# KiCad board main_PCB_v1.kicad_pcb (continued)
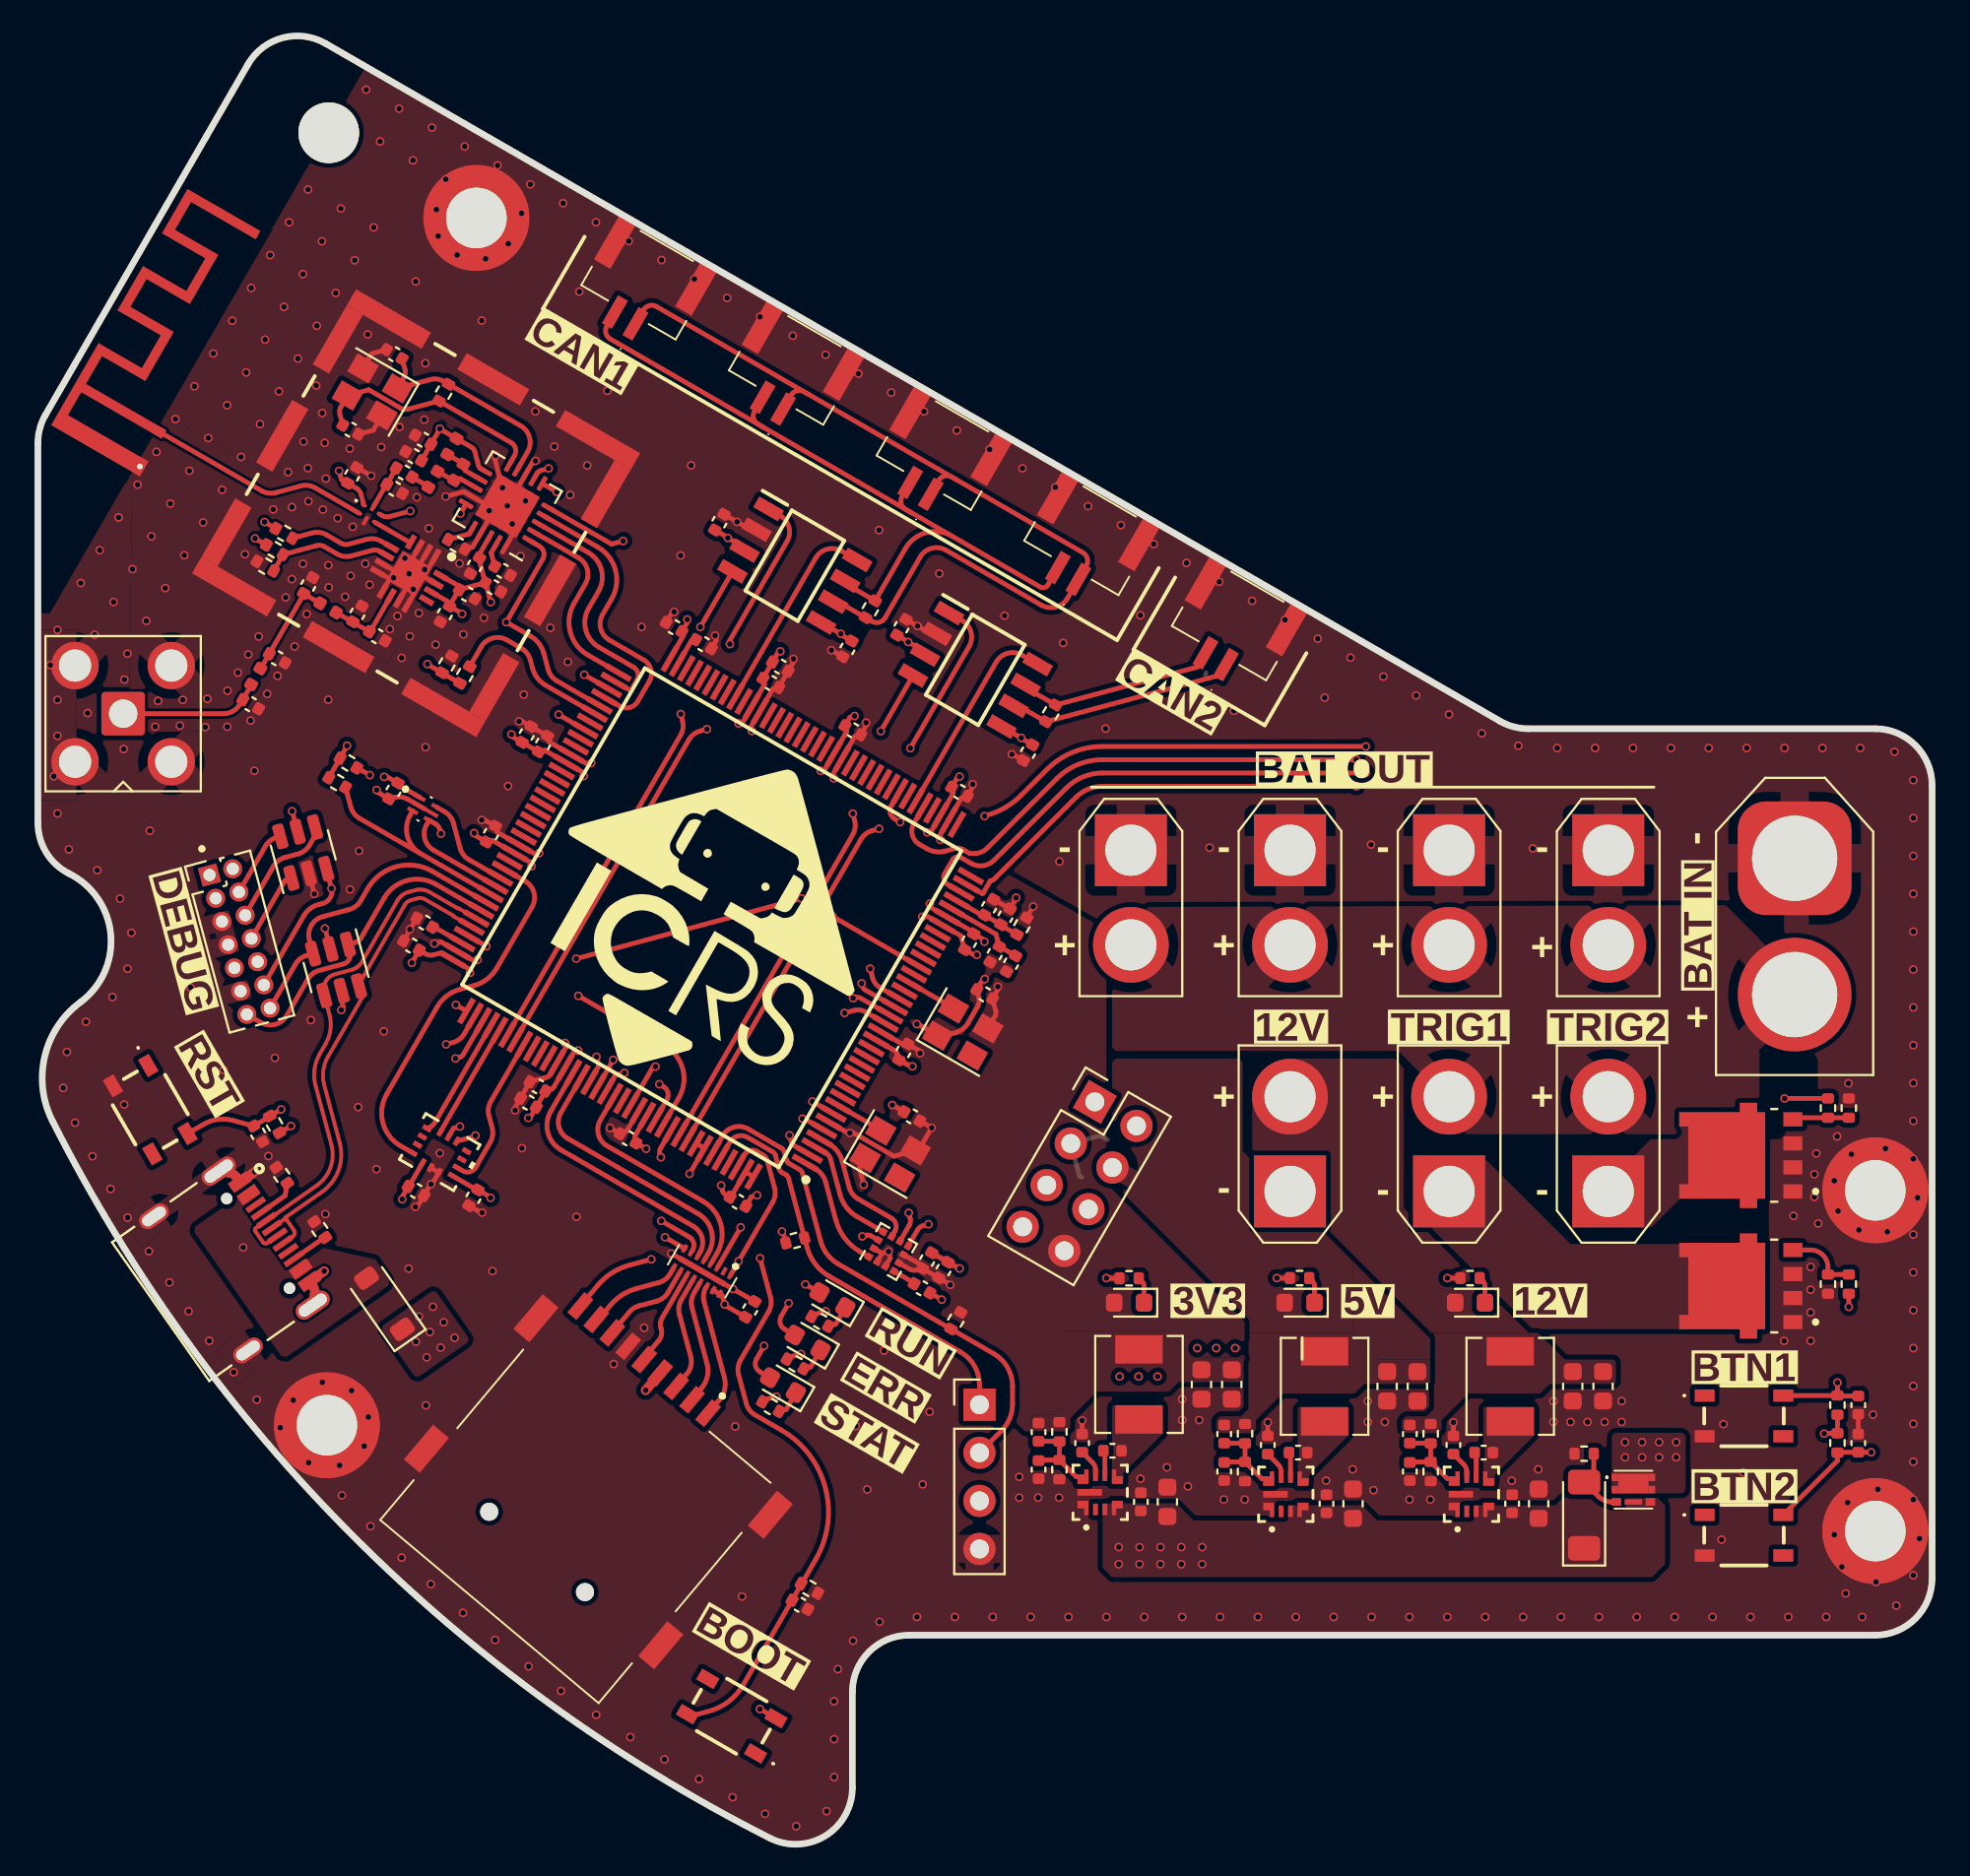
[diagram p0: board, top side]
## Footprints (pads in the part's own frame, mm; a bottom-side part is the same pattern mirrored in y, then rotated)
AMASS_XT30U-F_1x02_P5.0mm_Vertical
  rect 3.8x3.8 hole 2.7: 1(0,0)
  round 4 hole 2.7: 2(5,0)
AMASS_XT60-M_1x02_P7.20mm_Vertical
  rrect 6x6 hole 4.5: 1(0,0)
  round 6 hole 4.5: 2(7.2,0)
BMI270_BOS
  rect 0.483x0.254 smd: 1(-1.206,0.75) 2(-1.206,0.25) 3(-1.206,-0.25) 4(-1.206,-0.75) 8(1.206,-0.75) 9(1.206,-0.25) 10(1.206,0.25) 11(1.206,0.75)
  rect 0.254x0.483 smd: 5(-0.5,-0.953) 6(0,-0.953) 7(0.5,-0.953) 12(0.5,0.953) 13(0,0.953) 14(-0.5,0.953)
C_0402_1005Metric
  rrect 0.56x0.62 smd: 1(-0.48,0) 2(0.48,0)
C_0603_1608Metric
  rrect 0.9x0.95 smd: 1(-0.775,0) 2(0.775,0)
D_MiniMELF
  rrect 1.3x1.7 smd: 1(-1.75,0) 2(1.75,0)
D_SOD-123
  rrect 0.9x1.2 smd: 1(-1.65,0) 2(1.65,0)
DMP2066UFDE7
  rect 0.4x0.35 smd: 1(-0.65,-0.975) 2(0,-0.975) 5(0,0.975) 6(-0.65,0.975)
  rect 0.4x0.5 smd: 3(0.65,-0.9) 4(0.65,0.9)
  rect 0.285x0.92 smd: 7(0.65,0)
  rect 1.05x1.6 smd: 8(-0.325,0)
EMIF06MSD02N16
  rect 0.2x0.45 smd: 1(-1.4,-0.375) 2(-1,-0.375) 3(-0.6,-0.375) 4(-0.2,-0.375) 5(0.2,-0.375) 6(0.6,-0.375) 7(1,-0.375) 8(1.4,-0.375) 9(1.4,0.775) 10(1,0.775) 11(0.6,0.775) 12(0.2,0.775) 13(-0.2,0.775) 14(-0.6,0.775) 15(-1,0.775) 16(-1.4,0.775)
  rect 2.8x0.3 smd: 17(0,0.2)
HRO_TYPE-C-31-M-12
  round 0.6 hole 0.6 unplated: (-2.89,3.68) (2.89,3.68)
  rect 0.6x1.14 smd: A1_B12(-3.2,4.75) A4_B9(-2.4,4.75) B1_A12(3.2,4.75) B4_A9(2.4,4.75)
  rect 0.3x1.14 smd: A5(-1.25,4.75) A6(-0.25,4.75) A7(0.25,4.75) A8(1.25,4.75) B5(1.75,4.75) B6(0.75,4.75) B7(-0.75,4.75) B8(-1.75,4.75)
  oval 0.9x2 hole 0.6x1.7: S1(-4.325,4.17) S2(4.325,4.17)
  oval 0.9x1.7 hole 0.6x1.4: S3(-4.325,0) S4(4.325,0)
L_0402_1005Metric
  rrect 0.59x0.64 smd: 1(-0.485,0) 2(0.485,0)
L_Chilisin_BMRA00040420
  rect 1.5x2.5 smd: 1(-1.85,0) 2(1.85,0)
LED_0603_1608Metric
  rrect 0.875x0.95 smd: 1(-0.787,0) 2(0.787,0)
LGA-12_2x2mm_P0.5mm
  rect 0.375x0.35 smd: 1(-0.762,0.75) 2(-0.762,0.25) 3(-0.762,-0.25) 4(-0.762,-0.75) 7(0.762,-0.75) 8(0.762,-0.25) 9(0.762,0.25) 10(0.762,0.75)
  rect 0.35x0.375 smd: 5(-0.25,-0.762) 6(0.25,-0.762) 11(0.25,0.762) 12(-0.25,0.762)
LMR43620MB5RPER_TEX
  custom 0.762x0.584 smd: 1(-0.826,0.73) 4(-0.826,-0.73) 5(0.826,-0.73) 8(0.826,0.73)
  rect 0.61x0.254 smd: 2(-0.902,0.248) 3(-0.902,-0.248) 6(0.902,-0.248) 7(0.902,0.248)
  rect 0.356x1.295 smd: 9(0,0.552)
M24C08FMH6TG
  rect 0.6x0.2 smd: 1(-0.5,0.4) 3(-0.5,-0.4) 4(0.5,-0.4) 5(0.5,0.4)
  rect 1.6x0.2 smd: 2(0,0)
main_board_outline_v2
  round 3.2 hole 3.2 unplated: (-30.653,42.479)
  round 3.6 hole 3.2: 2(-22.859,37.979) 3(50.992,-13.384) 4(50.992,-31.384) 5(-30.75,-25.793)
  round 5.6 smd: 2(-22.859,37.979) 3(50.992,-13.384) 4(50.992,-31.384) 5(-30.75,-25.793)
  round 5.6 smd far side: 2(-22.859,37.979) 3(50.992,-13.384) 4(50.992,-31.384) 5(-30.75,-25.793)
MEM20750014001A
  round 0.95 hole 0.95 unplated: (-3.395,-3.695) (3.205,-3.695)
  rect 0.62x1.4 smd: 1(2.105,7.725) 2(1.005,7.725) 3(-0.095,7.725) 4(-1.195,7.725) 5(-2.295,7.725) 6(-3.395,7.725) 7(-4.495,7.725) 8(-5.595,7.725) 9(-6.695,7.725)
  rect 1.1x2.4 smd: 10(-8.075,5.725) 11(-8.075,-3.275) 12(8.075,-3.275) 13(8.075,5.725)
Oscillator_SMD_Abracon_ASE-4Pin_3.2x2.5mm
  rect 1.3x1.1 smd: 1(-1.05,-0.825) 2(1.05,-0.825) 3(1.05,0.825) 4(-1.05,0.825)
PinHeader_1x04_P2.54mm_Vertical
  rect 1.7x1.7 hole 1: 1(0,0)
  oval 1.7x1.7 hole 1: 2(0,-2.54) 3(0,-5.08) 4(0,-7.62)
PinHeader_2x04_P2.54mm_Vertical
  rect 1.7x1.7 hole 1: 1(0,0)
  oval 1.7x1.7 hole 1: 2(2.54,0) 3(0,-2.54) 4(2.54,-2.54) 5(0,-5.08) 6(2.54,-5.08) 7(0,-7.62) 8(2.54,-7.62)
PinHeader_2x07_P1.27mm_Vertical
  rect 1x1 hole 0.65: 1(0,0)
  oval 1x1 hole 0.65: 2(1.27,0) 3(0,-1.27) 4(1.27,-1.27) 5(0,-2.54) 6(1.27,-2.54) 7(0,-3.81) 8(1.27,-3.81) 9(0,-5.08) 10(1.27,-5.08) 11(0,-6.35) 12(1.27,-6.35) 13(0,-7.62) 14(1.27,-7.62)
QFN50P300X300X60-17N-D
  rect 0.8x0.3 smd: 1(-1.5,0.75) 2(-1.5,0.25) 3(-1.5,-0.25) 4(-1.5,-0.75) 9(1.5,-0.75) 10(1.5,-0.25) 11(1.5,0.25) 12(1.5,0.75)
  rect 0.3x0.8 smd: 5(-0.75,-1.5) 6(-0.25,-1.5) 7(0.25,-1.5) 8(0.75,-1.5) 13(0.75,1.5) 14(0.25,1.5) 15(-0.25,1.5) 16(-0.75,1.5)
  rect 1.75x1.75 smd: 17(0,0)
QFN-20-1EP_4x4mm_P0.5mm_EP2.5x2.5mm
  rrect 1.01x1.01 smd: (-0.625,0.625) (-0.625,-0.625) (0.625,0.625) (0.625,-0.625)
  rrect 0.825x0.25 smd: 1(-1.938,1) 2(-1.938,0.5) 3(-1.938,0) 4(-1.938,-0.5) 5(-1.938,-1) 11(1.938,-1) 12(1.938,-0.5) 13(1.938,0) 14(1.938,0.5) 15(1.938,1)
  rrect 0.25x0.825 smd: 6(-1,-1.938) 7(-0.5,-1.938) 8(0,-1.938) 9(0.5,-1.938) 10(1,-1.938) 16(1,1.938) 17(0.5,1.938) 18(0,1.938) 19(-0.5,1.938) 20(-1,1.938)
  rect 2.5x2.5 smd: 21(0,0)
QFP50P2200X2200X160-144N
  rect 1.475x0.3 smd: 1(-10.738,8.75) 2(-10.738,8.25) 3(-10.738,7.75) 4(-10.738,7.25) 5(-10.738,6.75) 6(-10.738,6.25) 7(-10.738,5.75) 8(-10.738,5.25) 9(-10.738,4.75) 10(-10.738,4.25) 11(-10.738,3.75) 12(-10.738,3.25) 13(-10.738,2.75) 14(-10.738,2.25) 15(-10.738,1.75) 16(-10.738,1.25) 17(-10.738,0.75) 18(-10.738,0.25) 19(-10.738,-0.25) 20(-10.738,-0.75) 21(-10.738,-1.25) 22(-10.738,-1.75) 23(-10.738,-2.25) 24(-10.738,-2.75) 25(-10.738,-3.25) 26(-10.738,-3.75) 27(-10.738,-4.25) 28(-10.738,-4.75) 29(-10.738,-5.25) 30(-10.738,-5.75) 31(-10.738,-6.25) 32(-10.738,-6.75) 33(-10.738,-7.25) 34(-10.738,-7.75) 35(-10.738,-8.25) 36(-10.738,-8.75) 73(10.738,-8.75) 74(10.738,-8.25) 75(10.738,-7.75) 76(10.738,-7.25) 77(10.738,-6.75) 78(10.738,-6.25) 79(10.738,-5.75) 80(10.738,-5.25) 81(10.738,-4.75) 82(10.738,-4.25) 83(10.738,-3.75) 84(10.738,-3.25) 85(10.738,-2.75) 86(10.738,-2.25) 87(10.738,-1.75) 88(10.738,-1.25) 89(10.738,-0.75) 90(10.738,-0.25) 91(10.738,0.25) 92(10.738,0.75) 93(10.738,1.25) 94(10.738,1.75) 95(10.738,2.25) 96(10.738,2.75) 97(10.738,3.25) 98(10.738,3.75) 99(10.738,4.25) 100(10.738,4.75) 101(10.738,5.25) 102(10.738,5.75) 103(10.738,6.25) 104(10.738,6.75) 105(10.738,7.25) 106(10.738,7.75) 107(10.738,8.25) 108(10.738,8.75)
  rect 0.3x1.475 smd: 37(-8.75,-10.738) 38(-8.25,-10.738) 39(-7.75,-10.738) 40(-7.25,-10.738) 41(-6.75,-10.738) 42(-6.25,-10.738) 43(-5.75,-10.738) 44(-5.25,-10.738) 45(-4.75,-10.738) 46(-4.25,-10.738) 47(-3.75,-10.738) 48(-3.25,-10.738) 49(-2.75,-10.738) 50(-2.25,-10.738) 51(-1.75,-10.738) 52(-1.25,-10.738) 53(-0.75,-10.738) 54(-0.25,-10.738) 55(0.25,-10.738) 56(0.75,-10.738) 57(1.25,-10.738) 58(1.75,-10.738) 59(2.25,-10.738) 60(2.75,-10.738) 61(3.25,-10.738) 62(3.75,-10.738) 63(4.25,-10.738) 64(4.75,-10.738) 65(5.25,-10.738) 66(5.75,-10.738) 67(6.25,-10.738) 68(6.75,-10.738) 69(7.25,-10.738) 70(7.75,-10.738) 71(8.25,-10.738) 72(8.75,-10.738) 109(8.75,10.738) 110(8.25,10.738) 111(7.75,10.738) 112(7.25,10.738) 113(6.75,10.738) 114(6.25,10.738) 115(5.75,10.738) 116(5.25,10.738) 117(4.75,10.738) 118(4.25,10.738) 119(3.75,10.738) 120(3.25,10.738) 121(2.75,10.738) 122(2.25,10.738) 123(1.75,10.738) 124(1.25,10.738) 125(0.75,10.738) 126(0.25,10.738) 127(-0.25,10.738) 128(-0.75,10.738) 129(-1.25,10.738) 130(-1.75,10.738) 131(-2.25,10.738) 132(-2.75,10.738) 133(-3.25,10.738) 134(-3.75,10.738) 135(-4.25,10.738) 136(-4.75,10.738) 137(-5.25,10.738) 138(-5.75,10.738) 139(-6.25,10.738) 140(-6.75,10.738) 141(-7.25,10.738) 142(-7.75,10.738) 143(-8.25,10.738) 144(-8.75,10.738)
R_0402_1005Metric
  rrect 0.54x0.64 smd: 1(-0.51,0) 2(0.51,0)
SKY13453385LF
  rect 0.33x0.15 smd: 1(-0.485,0.25) 2(-0.485,-0.25) 4(0.485,-0.25) 5(0.485,0.25)
  rect 0.2x0.51 smd: 3(0,-0.43) 6(0,0.43)
SM02BGHSTBLFSN
  rect 0.6x1.7 smd: 1(-0.625,1.845) 2(0.625,1.845)
  rect 1x2.7 smd: 3(2.475,-1.355) 4(-2.475,-1.355)
SMA_Amphenol_901-143_Horizontal
  rrect 2.3x2.3 hole 1.5: 1(0,0)
  round 2.5 hole 1.7: 2(-2.54,2.54) 2(-2.54,-2.54) 2(2.54,2.54) 2(2.54,-2.54)
SMS202F
  rect 0.99x3.58 smd: 1(-8.165,5.88) 3(-8.165,-5.88) 7(8.165,-5.88) 9(8.165,5.88)
  rect 0.99x3.81 smd: 2(-8.165,0.01) 8(8.165,0.01)
  rect 4.57x0.99 smd: 4(-6.375,-8.165) 6(6.375,-8.165) 10(6.375,8.165) 12(-6.375,8.165)
  rect 3.81x0.99 smd: 5(-0.01,-8.165) 11(-0.01,8.165)
SOIC127P600X175-8N
  rect 1.5x0.65 smd: 1(-2.7,1.905) 2(-2.7,0.635) 3(-2.7,-0.635) 4(-2.7,-1.905) 5(2.7,-1.905) 6(2.7,-0.635) 7(2.7,0.635) 8(2.7,1.905)
SOT-23-6
  rrect 1.325x0.6 smd: 1(-1.137,0.95) 2(-1.137,0) 3(-1.137,-0.95) 4(1.137,-0.95) 5(1.137,0) 6(1.137,0.95)
Texas_SWRA117D_2.4GHz_Right
  rect 0.5x0.5 smd: 1(0,0)
  rect 0.9x0.5 hole 0.3: 2(-2.1,0)
TRANS_NVMFS5834NLWFT1G
  rect 1x0.75 smd: 1(-2.748,1.905) 2(-2.748,0.635) 3(-2.748,-0.635) 4(-2.748,-1.905)
  custom 4.54x5.56 smd: 5_6(0,0)
TS204225WT160SMTTRMSL
  rect 1.05x0.65 smd: 1(-2.075,1.075) 2(2.075,1.075) 3(-2.075,-1.075) 4(2.075,-1.075)

## Nets
+3.3V: C201.1 C202.1 C205.1 C206.1 C207.1 C208.1 C209.1 C210.1 C211.1 C212.1 C213.1 C214.1 C215.1 C216.1 C217.1 C218.1 C219.1 C222.1 C223.1 C224.1 C225.1 C228.1 C229.1 C230.1 C232.1 C308.1 C319.1 C320.1 C401.2 C406.2 C408.2 C409.2 C412.2 D304.2 FB201.2 FL201.15 FL201.16 IC202.5 IC203.5 J201.4 J204.8 J205.3 J207.3 L303.2 R203.1 R204.1 R205.2 R206.2 R210.2 R214.1 R215.1 R310.1 S202.3 S401.1 U201.6 U201.17 U201.30 U201.39 U201.52 U201.62 U201.72 U201.84 U201.95 U201.108 U201.121 U201.131 U201.143 U201.144 U202.5 U204.5 U204.8 U206.5 U206.6 U211.1 U401.7 U401.15 U401.18 U402.14 U402.16 X201.3 X202.3
+5V: C226.1 C227.1 C309.1 C314.1 C315.1 D302.2 IC202.3 IC203.3 J204.4 L305.2 R308.1
+12V: C305.1 C306.1 C307.1 D301.2 J302.2 L301.2 R301.1
/Microcontroller/VDDA: C233.1 C234.1 FB201.1 U201.33
/Power/VCC_3V3: C317.1 U302.7
/Power/VCC_5V: C311.1 U301.7
/Power/VCC_12V: C303.1 U303.7
/Wireless/DVDD: C407.2 U401.19
/Wireless/VDD_PA: C404.2 C405.2 L404.2 R403.1 U401.11
GND: AE401.2 C201.2 C202.2 C203.2 C204.2 C205.2 C206.2 C207.2 C208.2 C209.2 C210.2 C211.2 C212.2 C213.2 C214.2 C215.2 C216.2 C217.2 C218.2 C219.2 C220.2 C221.2 C222.2 C223.2 C224.2 C225.2 C226.2 C227.2 C228.2 C229.2 C230.2 C231.2 C232.2 C233.2 C234.2 C235.2 C236.2 C237.2 C238.2 C301.2 C302.2 C303.2 C305.2 C306.2 C310.2 C311.2 C313.2 C314.2 C315.2 C316.2 C317.2 C319.2 C320.2 C321.2 C322.2 C323.2 C324.2 C401.1 C403.1 C404.1 C405.1 C406.1 C407.1 C408.1 C409.1 C410.2 C411.2 C412.1 C413.1 C414.1 C415.1 C416.1 C417.1 FL201.17 IC202.2 IC203.2 J201.6 J201.10 J201.11 J201.12 J201.13 J203.A1_B12 J203.B1_A12 J203.S1 J203.S2 J203.S3 J203.S4 J204.3 J204.7 J205.5 J205.7 J205.11 J207.4 J208.3 J208.4 J209.3 J209.4 J210.3 J210.4 J211.3 J211.4 J212.3 J212.4 J301.1 J302.1 J305.1 J306.1 J307.1 J308.1 J401.2 OL101.2 OL101.3 OL101.4 OL101.5 R201.2 R202.2 R207.1 R211.1 R212.1 R213.1 R302.2 R303.1 R304.1 R305.1 R307.2 R309.2 R311.2 R314.2 R315.2 R401.2 R405.2 R407.2 S201.3 S203.3 S204.3 S401.3 SH401.1 SH401.2 SH401.3 SH401.4 SH401.5 SH401.6 SH401.7 SH401.8 SH401.9 SH401.10 SH401.11 SH401.12 T301.1 T301.2 T301.3 T302.1 T302.2 T302.3 U201.16 U201.31 U201.38 U201.51 U201.61 U201.83 U201.94 U201.107 U201.120 U201.130 U202.2 U203.2 U204.6 U204.7 U206.2 U206.3 U206.12 U211.2 U301.1 U301.9 U302.1 U302.9 U303.1 U303.9 U401.8 U401.14 U401.17 U401.20 U401.21 U402.1 U402.2 U402.3 U402.7 U402.8 U402.9 U402.11 U402.12 U402.15 U402.17 X201.1 X202.1 Y402.2 Y402.4
VBAT: J301.2 J305.2 J306.2 J307.2 J308.2 J309.2 J310.2 Q302.1 Q302.2 Q302.5 Q302.6 Q302.8
VBUS: D201.2 J203.A4_B9 J203.B4_A9 U203.5
/Microcontroller/BOOT: C220.1 R207.2 S202.2 U201.137 U201.138
/Microcontroller/BTN1: C204.1 R206.1 S201.2 U201.34
/Microcontroller/BTN2: C221.1 R210.1 S204.2 U201.44
/Microcontroller/CAN1_H: IC202.7 J208.2 J209.2 J210.2 J211.2 R209.1
/Microcontroller/CAN1_L: IC202.6 J208.1 J209.1 J210.1 J211.1 R209.2
/Microcontroller/CAN1_RX: IC202.4 U201.114
/Microcontroller/CAN1_SILENT: IC202.8 U201.64
/Microcontroller/CAN1_TX: IC202.1 U201.115
/Microcontroller/CAN2_H: IC203.7 J212.2 R208.1
/Microcontroller/CAN2_L: IC203.6 J212.1 R208.2
/Microcontroller/CAN2_RX: IC203.4 U201.135
/Microcontroller/CAN2_SILENT: IC203.8 U201.42
/Microcontroller/CAN2_TX: IC203.1 U201.136
/Microcontroller/CC1: J203.A5 R201.1
/Microcontroller/CC2: J203.B5 R202.1
/Microcontroller/CLK: FL201.11 J201.5
/Microcontroller/CMD: FL201.12 J201.3
/Microcontroller/DAT0: FL201.10 J201.7
/Microcontroller/DAT1: FL201.9 J201.8
/Microcontroller/DAT2: FL201.14 J201.1
/Microcontroller/DAT3: FL201.13 J201.2
/Microcontroller/EEPROM_WC: U201.98 U211.5
/Microcontroller/GPIO1: J204.1 U201.21
/Microcontroller/GPIO2: J204.2 U201.20
/Microcontroller/GPIO3: J204.5 U201.18
/Microcontroller/GPIO4: J204.6 U201.19
/Microcontroller/I2C1_SCL: J207.2 R204.2 U201.139
/Microcontroller/I2C1_SDA: J207.1 R203.2 U201.140
/Microcontroller/I2C3_SCL: R214.2 U201.100 U211.3
/Microcontroller/I2C3_SDA: R215.2 U201.99 U211.4
/Microcontroller/IMU_INT1: U201.97 U204.4
/Microcontroller/IMU_INT2: U201.116 U204.9
/Microcontroller/LEDB: D204.2 U201.134
/Microcontroller/LEDB_K: D204.1 R213.2
/Microcontroller/LEDG: D203.2 U201.132
/Microcontroller/LEDG_K: D203.1 R212.2
/Microcontroller/LEDR: D202.2 U201.129
/Microcontroller/LEDR_K: D202.1 R211.2
/Microcontroller/MAG_C1: C231.1 U206.4
/Microcontroller/MAG_DRDY: U201.2 U206.8
/Microcontroller/MAG_INT: U201.7 U206.7
/Microcontroller/NRF24_CE: R404.1 U201.77 U401.1
/Microcontroller/NRF24_IRQ: U201.80 U401.6
/Microcontroller/NRF24_MODE: R406.1 U201.78
/Microcontroller/NRST: C203.1 J205.12 R205.1 S203.2 U201.25 U202.3
/Microcontroller/OSC: U201.23 X201.4
/Microcontroller/OSC_32: U201.8 X202.4
/Microcontroller/SDMMC2_CD: FL201.1 J201.9 U201.142
/Microcontroller/SDMMC2_CLK: FL201.6 U201.122
/Microcontroller/SDMMC2_CMD: FL201.5 U201.123
/Microcontroller/SDMMC2_D0: FL201.7 U201.124
/Microcontroller/SDMMC2_D1: FL201.8 U201.125
/Microcontroller/SDMMC2_D2: FL201.3 U201.126
/Microcontroller/SDMMC2_D3: FL201.4 U201.127
/Microcontroller/SPI2.CS: U201.73 U401.2
/Microcontroller/SPI2.MISO: U201.75 U401.5
/Microcontroller/SPI2.MOSI: U201.76 U401.4
/Microcontroller/SPI2.SCK: U201.74 U401.3
/Microcontroller/SPI3_CS: U201.110 U204.12
/Microcontroller/SPI3_MISO: U201.112 U204.1
/Microcontroller/SPI3_MOSI: U201.113 U204.14
/Microcontroller/SPI3_SCK: U201.111 U204.13
/Microcontroller/SPI4_CS: U201.3 U206.10
/Microcontroller/SPI4_MISO: U201.4 U206.9
/Microcontroller/SPI4_MOSI: U201.5 U206.11
/Microcontroller/SPI4_SCK: U201.1 U206.1
/Microcontroller/SWCLK: J205.6 U201.109 U202.4
/Microcontroller/SWDIO: J205.4 U201.105 U202.6
/Microcontroller/SWO: J205.8 U201.133 U202.1
/Microcontroller/TRIG1: R312.2 U201.41
/Microcontroller/TRIG2: R313.2 U201.35
/Microcontroller/USART1_RX: J205.13 U201.102 U203.1
/Microcontroller/USART1_TX: J205.14 U201.101 U203.3
/Microcontroller/USB_DN: J203.A7 J203.B7 U201.103 U203.4
/Microcontroller/USB_DP: J203.A6 J203.B6 U201.104 U203.6
/Microcontroller/VCAP1: C237.1 U201.71
/Microcontroller/VCAP2: C238.1 U201.106
/Microcontroller/VREF+: C235.1 C236.1 U201.32
/Power/BOOT_3V3: C318.2 U302.6
/Power/BOOT_5V: C312.2 U301.6
/Power/BOOT_12V: C304.2 U303.6
/Power/FV_3V3: C308.2 C323.1 R310.2 R311.1 U302.8
/Power/FV_5V: C309.2 C324.1 R308.2 R309.1 U301.8
/Power/FV_12V: C307.2 C310.1 R301.2 R302.1 U303.8
/Power/LED3V3: D304.1 R305.2
/Power/LED5V: D302.1 R304.2
/Power/LED12V: D301.1 R303.2
/Power/RP_PMOS_G: D303.2 Q302.3 R307.1
/Power/SW_3V3: C318.1 L303.1 U302.5
/Power/SW_5V: C312.1 L305.1 U301.5
/Power/SW_12V: C304.1 L301.1 U303.5
/Power/TRIG1_D: J309.1 T302.5_6
/Power/TRIG1_G: R312.1 R315.1 T302.4
/Power/TRIG2_D: J310.1 T301.5_6
/Power/TRIG2_G: R313.1 R314.1 T301.4
/Wireless/ANT1: L403.2 L404.1 U401.12
/Wireless/ANT2: L401.2 L403.1 U401.13
/Wireless/ANT2_50: C402.2 L401.1
/Wireless/ANT_F1: C413.2 C414.2 L402.2 U402.10
/Wireless/ANT_F2: C415.2 C416.2 L402.1 L405.2
/Wireless/ANT_PCB: AE401.1 S401.2
/Wireless/ANT_SMA: C417.2 J401.1 L405.1
/Wireless/IREF: R401.1 U401.16
/Wireless/RF2: S401.4 U402.4
/Wireless/RFC: C402.1 C403.2 S401.6
/Wireless/RXEN: R404.2 R405.1 U402.6
/Wireless/TXEN: R403.2 U402.5
/Wireless/VCTL: R406.2 R407.1 S401.5
/Wireless/XC1: C410.1 R402.1 U401.10 Y402.3
/Wireless/XC2: C411.1 R402.2 U401.9 Y402.1
VSYS: C301.1 C302.1 C313.1 C316.1 C321.1 C322.1 D201.1 D303.1 Q302.4 Q302.7 U301.3 U301.4 U302.3 U302.4 U303.3 U303.4

Pads without a net: FL201 2; J203 A8 B8; J205 1 2 9 10; S201 1 4; S202 1 4; S203 1 4; S204 1 4; U201 9 10 11 12 13 14 15 22 24 26 27 28 29 36 37 40 43 45 46 47 48 49 50 53 54 55 56 57 58 59 60 63 65 66 67 68 69 70 79 81 82 85 86 87 88 89 90 91 92 93 96 117 118 119 128 141; U204 2 3 10 11; U301 2; U302 2; U303 2; U402 13; X201 2; X202 2

## Via types
v1: diameter 0.45, hole 0.3, Top to Bottom, 590 vias

## Routing (per net, layer and track width the routed paths; a pad name or vN(x,y) marks a point on that pad's centre or on a via; arc(x,y) is an arc through that point)
+3.3V: length 92.1
  Top w0.25: U201.72 34.06,63.82 C214.1 34.31,64.59 v1(34.28,64.7) ; C401.2 23.64,66.63 v1(23.91,65.61) ; C401.2 23.28,67.89 C406.2 23.27,68.08 U401.18 ; C401.2 C412.2 ; v1(15.9,72.54) 16.02,72.08 C408.2 16.82,71.63 arc(16.96,71.5) 17.05,71.32 S401.1 ; X201.3 50.54,43.76 arc(50.58,43.88) 50.57,44.01 C201.1 50.71,45.19 v1(50.68,45.3) ; 35.65,29.27 FL201.16 36.12,28.99 v1(36.25,28.51) 36.26,28.47 C222.1 ; v1(43.11,59.6) 42.87,59.53 C217.1 42.69,58.77 U201.52 41.53,56.76 v1(41.33,56.7) ; v1(32.11,36.74) C216.1 31.52,37.24 arc(31.51,37.36) 31.55,37.47 U201.131 ; C409.2 21.66,65.63 U402.14 ; C409.2 22.22,66.26 C412.2 ; C409.2 22.38,65.02 v1(22.39,64.99) ; v1(46.96,53.45) 47.16,53.51 U201.39 48.32,55.52 C212.1 48.55,56.37 v1(48.66,56.4) ; v1(48.16,29.55) 48.16,29.57 C230.1 C228.1 ; C228.1 46.4,30.33 arc(46.2,30.32) 46.02,30.38 U206.5 ; C228.1 46.65,30.59 U206.6 ; R206.2 R210.2 94.32,21.71 v1(94.3,21.69) ; v1(38.12,7.14) S202.3 ; v1(16.32,58.03) 16.32,58.01 R215.1 R214.1 ; C412.2 22.2,66.48 U402.16 ; C223.1 51.92,58.41 v1(51.92,58.44) 51.91,58.44 IC203.5 ; v1(28.52,41.92) 28.32,41.87 U201.121 27.24,40 arc(27.16,39.91) 27.06,39.86 C210.1 C211.1 26,38.39 v1(25.89,38.36) ; C202.1 v1(47.18,37.85) 46.52,36.7 X202.3 45.19,36.34 43,37.61 v1(42.87,37.57) 42.8,37.55 U201.6 ; R203.1 39.33,32.33 v1(39.28,32.36) ; v1(18.28,56.38) 18.39,56.41 C232.1 19.04,55.94 U211.1 ; v1(36.07,34.8) 36.15,34.51 arc(36.2,34.4) 36.29,34.32 C215.1 36.58,34.19 U201.143 U201.144 ; v1(28.81,56.42) 28.76,56.63 U201.84 26.75,57.79 C206.1 C208.1 25.03,58.51 v1(25,58.62) ; v1(13.36,37.94) R205.2 ; v1(26.06,51.66) 26.01,51.86 U201.95 24,53.02 C207.1 23.06,53.3 v1(23.03,53.41) ; IC202.5 42.38,63.94 v1(42.39,63.94) 42.4,63.89 C224.1 ; U202.5 v1(13.42,54.57) ; v1(22.31,70.28) U401.15 ; v1(19.74,46.56) C209.1 20.5,47.02 arc(20.67,46.96) 20.86,46.97 21.28,47.09 U201.108 22.76,46.24 v1(22.81,46.03) ; v1(19.24,34.07) 19.21,34.16 C225.1 19.59,34.76 U204.5 ; U201.17 45.72,42.21 C213.1 46.53,41.92 v1(46.57,41.78) ; v1(46.69,48.99) 46.89,49.04 U201.30 48.73,47.98 C218.1 49.46,46.95 v1(49.57,46.98) ; v1(26.96,72.67) 26.54,72.56 arc(26.43,72.51) 26.35,72.42 U401.7 ; v1(23.9,34.14) 23.89,34.18 C229.1 23.19,34.55 U204.8 ; v1(39.2,63.01) 39.09,62.98 C219.1 C205.1 38.36,61.27 U201.62 37.2,59.26 v1(37,59.2) ; FB201.2 v1(52.55,49.53)
  Top w0.5: v1(32.08,23.97) J201.4
+5V: length 50.3
  Top w0.25: 46.78,63.05 IC203.3 46.78,63.02 v1(45.95,63.5) 45.94,63.53 C227.1 ; C226.1 36.41,69.03 v1(36.42,69) 37.26,68.52 IC202.3 37.25,68.55
  In2.Cu w0.5: v1(36.42,69) v1(45.95,63.5) 47.45,62.64 arc(48.82,61.44) 49.62,59.81 51.79,51.7 arc(51.97,51.35) 52.26,51.09 52.75,50.81 arc(53.05,50.55) 53.22,50.2 55.53,41.57 arc(55.7,41.22) 56,40.97 59.45,38.97 arc(59.92,38.37) 59.82,37.61 59.32,36.74 arc(59.06,36.45) 58.71,36.28 J204.4
/Microcontroller/VDDA: length 3.7
  Top w0.25: U201.33 49.88,49.05 C233.1 C234.1 50.85,48.54 FB201.1
/Power/VCC_3V3: length 1.5
  Top w0.25: U302.7 55.83,19.79 arc(55.79,19.98) 55.69,20.15 C317.1
/Power/VCC_5V: length 1.5
  Top w0.25: C311.1 65.49,20.05 arc(65.59,19.88) 65.63,19.69 U301.7
/Power/VCC_12V: length 1.5
  Top w0.25: C303.1 75.29,20.05 arc(75.39,19.88) 75.43,19.69 U303.7
/Wireless/DVDD: length 1.4
  Top w0.25: C407.2 23.93,68.21 U401.19
/Wireless/VDD_PA: length 19.1
  Top w0.252: R403.1 v1(11.96,69.84) ; C404.2 C405.2 ; C405.2 20.74,74.01 ; C405.2 21.22,74.77 v1(21.22,74.78) 21.23,74.76 L404.2 22.92,73.78 arc(23,73.7) 23.06,73.6 23.26,72.84 arc(23.31,72.73) 23.4,72.65 U401.11
  In2.Cu w0.252: v1(11.96,69.84) 14.34,68.48 arc(14.71,68.35) 15.09,68.38 16.63,68.79 arc(16.98,68.96) 17.23,69.25 20.07,74.17 arc(20.33,74.46) 20.68,74.63 v1(21.22,74.78)
GND: length 124
  Top w0.25: v1(25.2,38.76) 25.17,38.87 C211.2 C210.2 26.85,40.51 arc(26.96,40.56) 27.04,40.65 U201.120 27.88,42.12 v1(27.83,42.32) ; v1(33.45,31.2) FL201.17 v1(36.69,29.33) 36.7,29.33 C222.2 ; v1(74.73,22.29) C303.2 ; v1(26.46,52.35) 26.26,52.3 U201.94 24.25,53.46 C207.2 23.54,54.13 v1(23.43,54.1) ; R304.1 v1(65.41,29.9) ; v1(35.75,63.85) 35.82,63.6 C237.2 ; v1(51.64,50) 51.65,49.98 C234.2 C233.2 ; v1(37.69,58.8) 37.63,59.01 U201.61 38.79,61.02 C205.2 C219.2 39.92,62.5 v1(39.89,62.61) ; 12.17,36.34 v1(12.17,36.35) ; C221.2 C204.2 ; C202.2 v1(45.11,39.05) ; R401.2 22.95,68.52 U401.17 24.1,70.52 ; v1(47.09,49.68) 47.14,49.48 U201.31 49.38,48.19 C218.2 49.94,47.78 v1(49.97,47.67) ; U402.9 18.57,66.84 ; 18.57,66.84 U402.8 ; 18.57,66.84 v1(19.6,67.11) ; v1(46.17,41.09) 46.09,41.07 C213.2 45.37,41.74 arc(45.31,41.85) 45.23,41.92 U201.16 ; IC202.2 37.73,69.38 v1(36.91,69.85) C226.2 ; R305.1 56.42,29.89 v1(56.41,29.9) ; v1(24.78,70.7) U401.8 26.13,73.04 v1(26.27,73.07) ; v1(24.78,70.7) 24.1,70.52 ; v1(24.78,70.7) 25.15,69.33 U401.20 ; U402.11 19.69,66.77 v1(19.6,67.11) ; v1(37.97,34.28) 37.66,34.2 C215.2 ; U402.2 19.94,67.2 ; 19.94,67.2 U402.15 ; 19.94,67.2 v1(19.6,67.11) ; C224.2 v1(41.89,63.08) ; v1(49.35,56) 49.38,55.89 C212.2 48.75,55.27 U201.38 47.59,53.26 v1(47.65,53.05) ; v1(20.93,47.58) 21.27,47.67 U201.107 23.01,46.67 v1(23.21,46.72) ; v1(49.99,45.7) 49.88,45.67 C201.2 49.68,44.72 arc(49.69,44.48) 49.62,44.26 49.12,43.4 arc(48.82,43.06) 48.42,42.86 47.62,42.65 X201.1 46.44,43.33 v1(46.4,43.32) ; v1(43.6,34.84) 43.36,35.72 X202.1 ; 24.1,70.52 U401.14 22.49,71.45 v1(21.53,71.19) ; IC203.2 47.26,63.88 C227.2 ; R303.1 v1(74.41,29.9) ; v1(43.72,59.25) 43.75,59.14 C217.2 43.12,58.52 U201.51 41.96,56.51 v1(42.02,56.3) ; v1(24.53,71.66) 24.1,73.25 v1(24.17,73.36) ; v1(19.6,67.11) 19.5,67.45 U402.3 ; v1(19.6,67.11) 19.25,67.02 U402.7 ; v1(19.6,67.11) 20.62,67.39 U402.1 ; v1(19.6,67.11) 19.87,66.09 U402.12 ; C238.2 19.66,48.33 v1(19.63,48.33) 19.64,48.3 C209.2 ; v1(17.88,55.69) 17.91,55.58 C232.2 18.79,55.29 arc(19.18,55.32) 19.55,55.19 U211.2 ; C223.2 51.44,57.58 v1(51.42,57.58) ; U204.6 U204.7 20.82,34.88 v1(20.75,34.86) 20.72,34.86 C225.2 20.06,33.7 v1(19.93,33.67) ; U202.2 v1(14.59,50.2) ; v1(64.93,22.29) C311.2 ; C214.2 33.48,65.07 v1(33.59,65.1) ; v1(48.66,30.41) 48.64,30.4 C230.2 C228.2 ; v1(17.59,72.29) C408.1 ; 39.6,25.71 v1(40.28,25.9) ; v1(30.2,37.84) C216.2 30.93,37.58 arc(31.04,37.63) 31.12,37.72 U201.130 ; C231.2 v1(47.71,28.77) ; U206.12 44.57,31.22 ; 44.57,31.22 v1(44.91,31.31) 45,30.97 U206.3 ; 44.57,31.22 U206.2 ; C229.2 23.41,33.35 v1(23.45,33.37) ; C410.2 17.71,74.69 Y402.4 ; v1(29.21,57.12) 29.01,57.06 U201.83 27,58.22 C206.2 C208.2 25.51,59.35 v1(25.4,59.32) ; Y402.2 17.62,78.74 C411.2 ; 15.17,33.29 v1(15.18,33.29) ; v1(55.13,22.39) C317.2 ; U203.2 v1(15.16,48.37) ; 38.3,23.46 v1(38.98,23.64) ; 40.9,27.97 v1(41.58,28.15)
  Top w0.5: J203.S2 14.61,29.08 arc(14.61,29.27) 14.53,29.45 J203.B1_A12 v1(15.12,30.27) ; v1(11.45,35.52) J203.A1_B12 10.47,35.25 arc(10.33,35.38) 10.15,35.45 J203.S1
  In1.Cu w0.25: 56.34,37.4 56.22,37.47 J204.3 54.95,35.43 54.97,35.42
  Bottom w0.25: 61.67,61.88 61.63,61.78 ; 56.47,37.21 56.09,37.43 J204.3 54.99,35.3 55.09,35.23
  vias: v1(0.66,62.29) v1(0.84,56.41) v1(1.03,64.15) v1(1.03,60.45) v1(1.03,58.55) v1(1.03,54.45) v1(1.33,39.95) v1(1.53,41.85) v1(1.63,52.55) v1(1.96,38.11) v1(2.26,66.62) v1(2.53,43.45) v1(2.63,59.75) v1(2.88,36.34) v1(2.99,63.89) v1(3.13,51.45) v1(3.26,68.35) v1(3.83,34.61) v1(3.99,65.62) v1(3.93,44.75) v1(4.26,70.08) v1(4.33,49.95) v1(4.57,61.52) v1(4.53,57.85) v1(4.56,39.08) v1(4.73,62.89) v1(4.73,46.25) v1(4.74,33.1) v1(4.99,67.35) v1(4.93,48.15) v1(5.26,71.82) v1(5.73,64.62) v1(5.91,53.54) v1(5.86,31.32) v1(5.99,69.08) v1(6.19,59.03) v1(6.26,73.55) v1(6.35,60.39) v1(6.73,66.35) v1(6.99,70.82) v1(6.94,29.68) v1(7.26,75.28) v1(7.5,59.09) v1(7.65,60.45) v1(7.73,68.08) v1(7.99,72.55) v1(7.96,28.15) v1(8.05,45.25) v1(8.26,77.01) v1(8.73,69.82) v1(8.83,59.01) v1(8.99,74.28) v1(8.95,60.51) v1(9.05,26.59) v1(9.26,78.74) v1(9.73,71.55) v1(9.81,40.89) v1(9.99,76.01) v1(10.01,60.94) v1(10,59.03) v1(10.26,80.48) v1(10.33,24.93) v1(10.56,61.89) v1(10.73,73.28) v1(10.99,77.74) v1(10.93,68.14) v1(11.11,62.84) v1(11.26,82.21) v1(11.23,59.36) v1(11.43,56.7) v1(11.56,23.48) v1(11.66,63.79) v1(11.73,75.01) v1(11.99,79.48) v1(12.1,60.77) v1(12.26,83.94) v1(12.42,70.51) v1(12.51,41.53) v1(12.65,61.72) v1(12.73,76.74) v1(12.79,22) v1(12.99,81.21) v1(13.08,65.86) v1(13.21,72.48) v1(13.26,85.67) v1(13.41,66.83) v1(13.41,70.63) v1(13.48,23.45) v1(13.55,63.28) v1(13.73,78.48) v1(13.99,82.94) v1(13.99,67.64) v1(14.02,74.09) v1(14.19,64.99) v1(14.26,87.4) v1(14.25,72.69) v1(14.28,70.94) v1(14.29,20.16) v1(14.41,43.53) v1(14.69,77.05) v1(14.73,80.21) v1(14.99,84.67) v1(15.01,75.6) v1(15.05,70.5) v1(15.01,24.4) v1(15.14,74.02) v1(15.2,72.14) v1(15.33,67.56) v1(15.35,66.39) v1(15.33,60.45) v1(15.73,81.94) v1(15.83,70.05) v1(15.99,86.4) v1(15.93,20.01) v1(16.05,18.42) v1(16.22,65.89) v1(16.46,73.72) v1(16.51,67) v1(16.47,50.44) v1(16.56,23.96) v1(16.62,69.59) v1(16.73,83.67) v1(16.95,52.47) v1(16.91,38.93) v1(17.28,67.64) v1(17.23,21.03) v1(17.34,92.68) v1(17.41,79.76) v1(17.44,22.57) v1(17.51,66.53) v1(17.56,16.79) v1(17.73,85.4) v1(17.87,35.66) v1(18.07,89.95) v1(18.13,73.8) v1(18.26,42.94) v1(18.58,64.18) v1(18.78,66.89) v1(18.98,64.88) v1(19.07,91.68) v1(19.09,74.86) v1(19.21,62.67) v1(19.2,15.14) v1(19.38,67.93) v1(19.57,30.41) v1(19.63,63.81) v1(19.8,88.95) v1(19.82,66.29) v1(19.94,82.55) v1(20,71.15) v1(20.11,65.03) v1(20.4,75.25) v1(20.45,78.23) v1(20.42,67.33) v1(20.46,57.95) v1(20.48,23.18) v1(20.64,69.51) v1(20.8,90.68) v1(20.74,13.74) v1(21,63.37) v1(21.03,86.35) v1(21.13,84.95) v1(21.22,36.5) v1(21.53,87.95) v1(22.13,83.95) v1(22.26,67.65) v1(22.46,63.91) v1(22.44,12.22) v1(22.53,89.68) v1(23.43,80.49) v1(23.54,64.78) v1(23.63,83.75) v1(23.83,70.44) v1(24,30.27) v1(24.14,10.79) v1(24.26,88.68) v1(24.83,84.55) v1(24.82,55.9) v1(25.04,69.74) v1(25.48,68.05) v1(25.53,86.15) v1(25.55,36.77) v1(25.65,60.73) v1(25.74,70.96) v1(25.91,9.39) v1(26,87.68) v1(26.26,75.69) v1(27.05,64.26) v1(27.27,73.83) v1(27.61,8.1) v1(27.73,86.68) v1(27.97,62.46) v1(28.1,71.27) v1(28.43,33.14) v1(28.58,82.01) v1(29,72.83) v1(29.46,85.68) v1(29.47,6.84) v1(30.06,76.77) v1(30.4,25.36) v1(31.19,84.68) v1(31.28,5.66) v1(31.87,64.3) v1(32,27.28) v1(32.92,83.68) v1(33.08,4.48) v1(33.93,68.07) v1(34.48,72.83) v1(34.66,82.68) v1(34.91,3.44) v1(36.39,81.68) v1(36.67,2.48) v1(36.81,22.07) v1(37.17,13.09) v1(38.12,80.68) v1(38.39,1.6) v1(39.85,79.68) v1(40.03,0.95) v1(41.58,78.68) v1(41.63,1.75) v1(42.03,7.55) v1(42.03,5.55) v1(42.03,3.55) v1(42.23,9.25) v1(43.03,10.75) v1(43.18,22.09) v1(43.32,77.68) v1(43.78,18.74) v1(44.4,69.42) v1(44.43,11.75) v1(44.67,26.08) v1(45.05,76.68) v1(46.41,12) v1(46.44,64.35) v1(46.78,75.68) v1(46.71,19.01) v1(47.07,22.84) v1(47.58,67.12) v1(48.41,12) v1(48.51,74.68) v1(50.24,73.68) v1(50.41,12) v1(51.03,64.9) v1(51.81,19.4) v1(51.81,18.3) v1(51.98,72.68) v1(52.41,12) v1(52.81,18.3) v1(53.71,71.68) v1(53.91,18.3) v1(53.93,51.91) v1(54.13,63.46) v1(54.41,12) v1(55.44,70.68) v1(56.36,58.93) v1(56.41,12) v1(57.11,24.7) v1(57.17,69.68) v1(58.11,24.7) v1(58.2,64.91) v1(58.21,19.3) v1(58.41,12) v1(58.9,68.68) v1(59.11,24.7) v1(59.61,19.9) v1(60.41,23.5) v1(60.41,22.4) v1(60.41,12) v1(60.64,67.68) v1(60.71,18.9) v1(61.21,26.2) v1(61.31,22.4) v1(61.86,52.64) v1(62.21,26.2) v1(62.37,66.68) v1(62.41,12) v1(62.61,18.2) v1(63.14,59.87) v1(63.21,26.2) v1(63.71,18.2) v1(64.1,65.68) v1(64.41,12) v1(65.83,64.68) v1(66.41,12) v1(67.56,63.68) v1(67.93,60.57) v1(68.01,19.2) v1(68.41,12) v1(69.3,62.68) v1(69.41,19.8) v1(70.21,23.4) v1(70.21,22.3) v1(70.38,52.8) v1(70.41,12) v1(70.51,18.7) v1(71.03,61.68) v1(71.11,22.3) v1(72.41,18.2) v1(72.41,12) v1(72.76,60.68) v1(73.51,18.2) v1(74.41,12) v1(74.49,59.68) v1(76.22,58.68) v1(76.41,12) v1(77.81,19.2) v1(78.16,58.03) v1(78.41,12) v1(78.92,52.6) v1(79.21,19.8) v1(80.01,23.4) v1(80.01,22.3) v1(80.21,57.9) v1(80.41,12) v1(80.91,22.3) v1(81.81,22.3) v1(82.21,57.9) v1(82.41,12) v1(82.71,22.3) v1(83.61,23.4) v1(83.61,22.3) v1(84.21,57.9) v1(84.41,12) v1(86.21,57.9) v1(86.41,12) v1(88.21,57.9) v1(88.41,12) v1(88.88,16.09) v1(88.98,22.19) v1(89.84,25.52) v1(90.03,19.64) v1(90.21,57.9) v1(90.41,12) v1(92.21,57.9) v1(92.18,26.59) v1(92.41,12) v1(92.68,33.19) v1(93.58,30.49) v1(93.58,29.29) v1(93.58,28.09) v1(93.58,26.59) v1(93.78,35.39) v1(93.78,34.19) v1(93.88,36.49) v1(93.98,32.79) v1(94.21,57.9) v1(94.41,12) v1(94.83,35.05) v1(94.83,16.35) v1(94.98,37.39) v1(95.03,33.45) v1(95.23,14.65) v1(95.43,13.25) v1(95.58,40.19) v1(95.53,18.05) v1(95.73,36.45) v1(96.21,57.9) v1(96.13,32.45) v1(96.31,12) v1(96.88,22.69) v1(97.03,13.85) v1(97.13,18.75) v1(97.53,36.75) v1(97.63,32.35) v1(98.01,57.7) v1(98.11,12.6) v1(99.01,56.2) v1(99.01,54.2) v1(99.01,52.2) v1(99.01,50.2) v1(99.01,48.2) v1(99.01,46.2) v1(99.01,44.2) v1(99.01,42.2) v1(99.01,40.2) v1(99.01,38.2) v1(99.01,36.2) v1(99.01,32.2) v1(99.01,30.2) v1(99.01,28.2) v1(99.01,26.2) v1(99.01,24.2) v1(99.01,22.2) v1(99.01,20.2) v1(99.01,18.2) v1(99.01,14.2) v1(99.23,34.15) v1(99.33,16.15)
VBAT:
  vias: v1(83.79,21.24) v1(83.79,20.44) v1(84.69,21.24) v1(84.69,20.44) v1(85.59,21.24) v1(85.59,20.44) v1(86.49,21.24) v1(86.49,20.44)
VBUS: length 15.2
  Top w0.25: v1(16.02,44.06) 16.12,44.24 15.94,44.91 U203.5
  In2.Cu w0.5: v1(10.84,31.52) 16.26,40.91 arc(16.51,41.65) 16.46,42.42 v1(16.02,44.06)
/Microcontroller/BOOT: length 38
  Top w0.25: v1(34.4,35.41) U201.138 U201.137 ; S202.2 34.47,6.77 35.42,7.02 arc(36.47,7.54) 37.24,8.42 41.07,15.05 arc(41.57,18.85) 39.24,21.88 37.86,22.68 arc(37.57,22.93) 37.4,23.28 36.99,24.8 arc(36.96,25.19) 37.09,25.56 38.58,28.14 arc(38.7,28.51) 38.68,28.9 v1(38.12,30.95)
  In2.Cu w0.25: 34.4,35.41 34.5,35.07 arc(34.58,34.89) 34.73,34.76 37.36,33.25 arc(37.51,33.12) 37.59,32.94 v1(38.12,30.96)
/Microcontroller/BTN1: length 82.7
  Top w0.25: C204.1 95.03,23.68 R206.1 ; U201.34 48,50.71 arc(47.91,50.79) 47.86,50.89 47.83,51.02 arc(47.82,51.14) 47.86,51.25 48.29,51.99 arc(48.36,52.08) 48.47,52.13 48.51,52.15 arc(48.63,52.15) 48.74,52.12 49.26,51.81 arc(49.9,51.69) 50.47,51.97 54.29,55.79 arc(55.17,56.38) 56.2,56.59 v1(70.1,56.59) ; R206.1 94.99,23.7 S201.2 ; R206.1 v1(95,24.39)
  In2.Cu w0.25: 95,24.39 95,27.27 arc(94.93,27.66) 94.71,27.98 93.82,28.87 arc(93.22,29.78) 93,30.85 93,39.11 arc(92.71,39.81) 92,40.11 90.41,40.11 arc(88,41.1) 87.01,43.51 87.01,52.71 arc(86.22,54.62) 84.31,55.41 76.12,55.41 arc(75.28,55.57) 74.56,56.05 74.53,56.09 arc(73.97,56.46) 73.32,56.59 70.1,56.59
/Microcontroller/BTN2: length 92.7
  Top w0.25: U201.44 45.05,54.84 arc(45,54.46) 45.23,54.16 v1(45.52,53.99) ; S204.2 95,20.26 R210.1 95.02,20.71 C221.1 v1(96.78,20.71) ; v1(49.97,54.31) 50.06,54.33 50.07,54.35 arc(51.06,54.75) 51.9,55.41 53.28,56.78 arc(54.61,57.67) 56.18,57.99 v1(70.1,57.99)
  In2.Cu w0.25: 70.1,57.99 70.12,58.01 73.12,58.01 arc(74.31,57.77) 75.32,57.1 arc(75.86,56.73) 76.5,56.61 84.31,56.61 arc(87.21,55.41) 88.41,52.51 88.41,43.41 arc(88.99,41.99) 90.41,41.41 92,41.41 arc(93.7,40.7) 94.4,39.01 94.4,35.89 94.18,35.67 94.18,34.4 94.4,34.18 94.4,31.2 arc(94.48,30.82) 94.69,30.49 95.96,29.23 arc(96.57,28.32) 96.78,27.25 96.78,20.71 ; v1(45.52,53.99) 45.77,54.43 arc(46.38,54.89) 47.14,54.79 48.25,54.15 arc(48.62,54.02) 49.01,54.05 v1(49.97,54.31)
/Microcontroller/CAN1_H: length 40.7
  Top w0.25: 38.29,74.85 46.09,70.35 ; 38.29,74.85 30.22,79.51 arc(29.99,79.82) 30.04,80.2 J208.2 ; 38.29,74.85 38.01,75.01 arc(37.78,75.32) 37.83,75.7 37.98,75.96 ; 46.09,70.35 48.25,69.1 ; 46.09,70.35 45.81,70.51 arc(45.57,70.82) 45.62,71.2 J210.2 ; 48.25,69.1 52.91,66.41 arc(53.14,66.38) 53.32,66.52 J211.2 ; 48.25,69.1 arc(46.89,69.28) 45.79,68.44 R209.1 42.66,66.57 IC202.7
/Microcontroller/CAN1_L: length 50
  Top w0.25: 40.68,76.59 32.65,81.23 arc(32.27,81.28) 31.97,81.04 J208.1 ; 40.68,76.59 48.48,72.09 ; 40.68,76.59 40.45,76.73 arc(40.07,76.78) 39.76,76.54 J209.1 ; 48.48,72.09 55.17,68.23 arc(55.4,67.92) 55.35,67.54 54.36,65.83 arc(53.74,65.36) 52.96,65.46 47.94,68.36 arc(47.18,68.46) 46.57,67.99 44.72,64.78 arc(44.42,64.55) 44.04,64.6 42.15,65.68 IC202.6 ; 48.48,72.09 48.24,72.23 arc(47.86,72.28) 47.56,72.04 J210.1
/Microcontroller/CAN1_RX: length 27.9
  Top w0.25: IC202.4 v1(34.97,64.3) ; 33.87,59.68 33.95,59.63 34.03,59.35 arc(34.06,58.96) 33.93,58.59 U201.114
  In2.Cu w0.25: 33.94,59.7 35.28,62.03 arc(35.4,62.4) 35.38,62.79 34.97,64.3
  vias: v1(33.94,59.7)
/Microcontroller/CAN1_SILENT: length 11
  Top w0.25: U201.64 41.06,67.95 arc(41.67,68.41) 42.43,68.31 IC202.8
/Microcontroller/CAN1_TX: length 32.9
  Top w0.25: v1(36.53,63.4) 36.5,63.53 39.55,68.82 arc(39.65,69.58) 39.18,70.19 IC202.1 ; U201.115 34.36,58.34 arc(34.62,58.63) 34.97,58.81 v1(35.32,58.9)
  In2.Cu w0.25: 35.32,58.9 36.76,61.4 arc(36.89,61.77) 36.86,62.16 36.53,63.4
/Microcontroller/CAN2_H: length 10.6
  Top w0.25: J212.2 61.21,62.18 R208.1 52.19,61.07 IC203.7
/Microcontroller/CAN2_L: length 12.1
  Top w0.25: J212.1 62.4,61.76 R208.2 51.68,60.18 IC203.6
/Microcontroller/CAN2_RX: length 27.6
  Top w0.25: 43.04,54.37 43.12,54.09 arc(43.14,53.7) 43.02,53.33 33.88,37.5 ; IC203.4 v1(44.5,58.8)
  In2.Cu w0.25: 44.5,58.8 44.72,57.97 arc(44.75,57.58) 44.62,57.21 43.02,54.44
  vias: v1(43.02,54.44)
/Microcontroller/CAN2_SILENT: length 11
  Top w0.25: IC203.8 51.96,62.81 arc(51.2,62.91) 50.59,62.45 U201.42
/Microcontroller/CAN2_TX: length 32.8
  Top w0.25: v1(46.06,57.9) 49.16,63.27 arc(49.26,64.03) 48.79,64.64 IC203.1 ; 34.31,37.25 43.45,53.08 arc(43.71,53.37) 44.06,53.55 v1(44.41,53.64)
  In2.Cu w0.25: 46.06,57.9 46.21,57.34 arc(46.23,56.95) 46.11,56.58 44.41,53.64
/Microcontroller/CC1: length 2.2
  Top w0.25: J203.A5 13.05,34.26 R201.1
/Microcontroller/CC2: length 2
  Top w0.25: R202.1 15.13,32.06 J203.B5
/Microcontroller/CLK: length 5.2
  Top w0.252: J201.5 32,25.69 32.79,26.62 arc(32.92,26.89) 32.91,27.19 32.89,27.28 arc(32.87,27.55) 32.96,27.8 FL201.11
